# Altium PCB SFPP.PcbDoc (part 2 of 4) (continued)
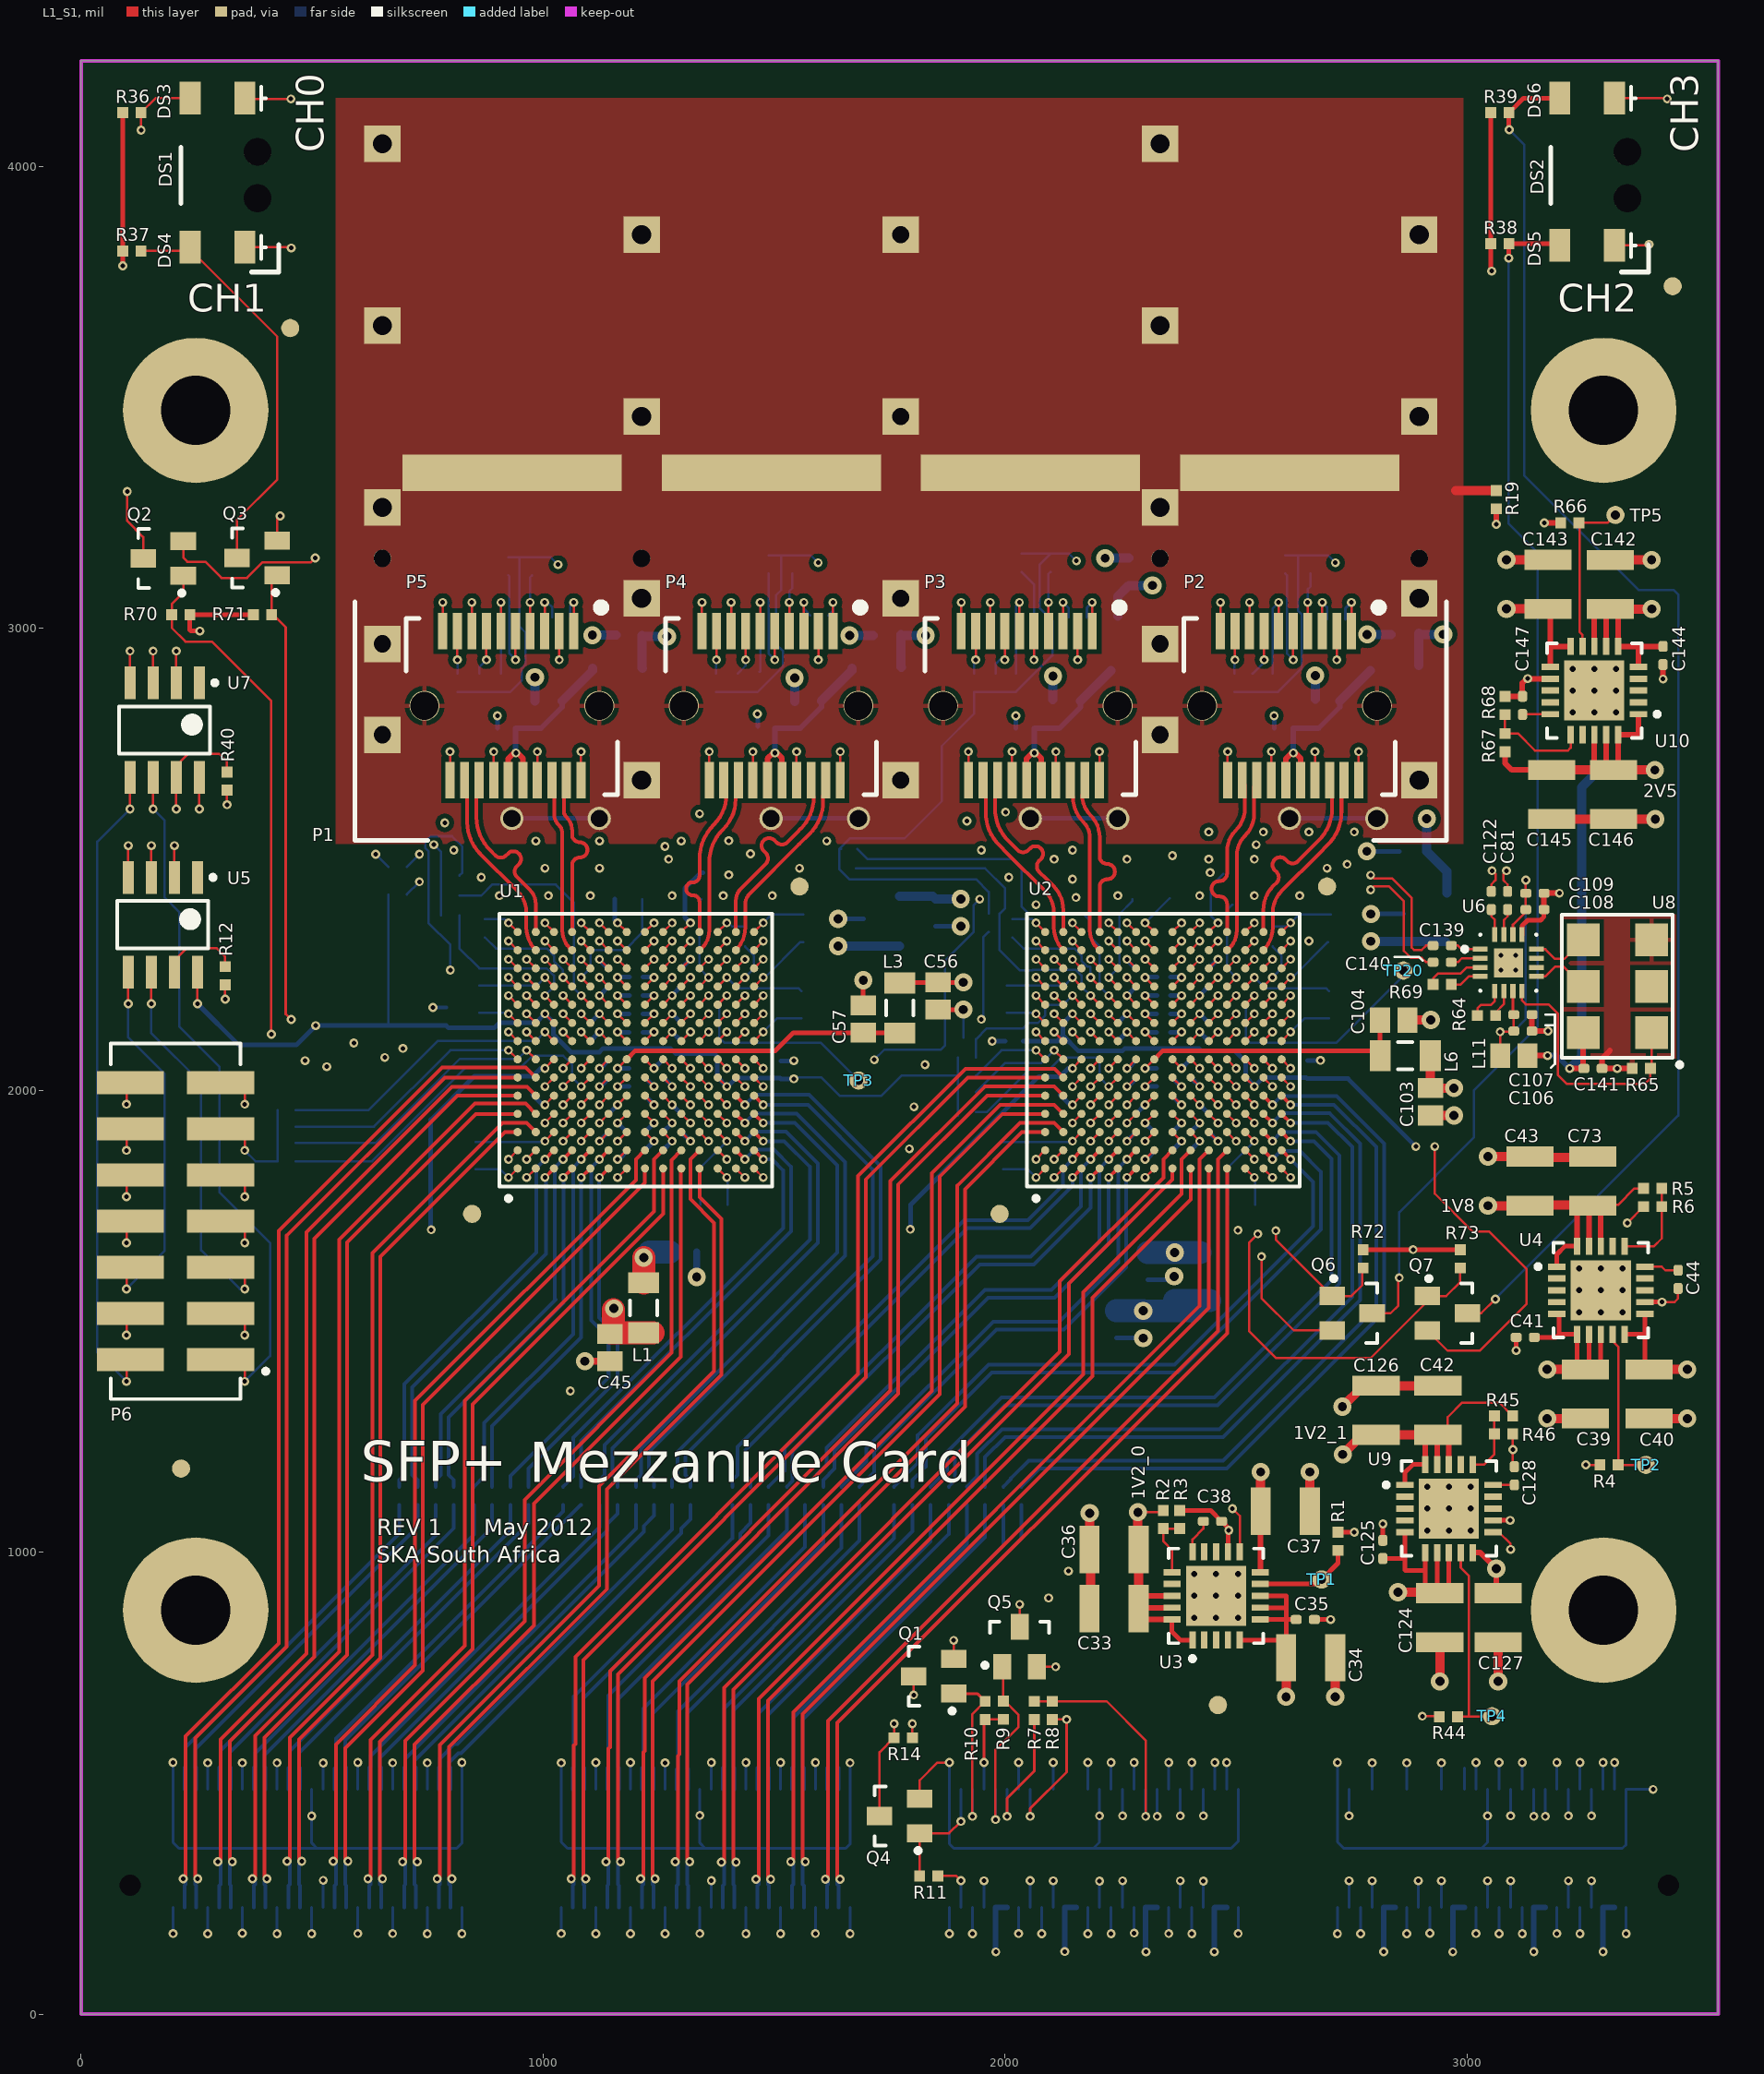
[diagram p0: L1_S1 view]
## Nets (pads, with @x,y where several pads share a name; then routed paths per layer and width w, separated by ;. In a path a pad name is that pad's centre, name@x,y a point inside that pad or via, vN(x,y) a via of type N, cw(c..) or ccw(c..) an arc to the next point about the centre after c; other vN are vias at no path point) (continued)
  L1_S1 w6: v3(1954.29,544.71) R10.1@1954.29,635.39
  L1_S1 w10: C57.1@1693,2183.53 v4(1693,2238.24) ; C56.1@1855,2174.47 v4(1909.72,2174.47) ; R3.1@2377.95,1090.55 2444.88,1090.55 C38.1@2468.5,1066.93 2482.28,1053.15 U3.12@2482.28,1000.98 ; C35.1@2669.29,854.33 v2(2704.72,854.33) ; C125.1@2817.63,1025.68 v2(2817.63,1061.12) ; U9.12@3056.1,1068.9 3056.2,1069 v2(3093,1069) ; v2(3106.11,1436.46) C41.1@3106.11,1465 ; U6.13@3118.78,2336.77 3118.78,2355.78 3131,2368 3159,2368 3166.43,2375.43 C108.1@3166.43,2390.92 ; U4.12@3384.84,1541.34 3384.94,1541.44 v2(3421.74,1541.44)
  L1_S1 w12: v2(3062.99,3225.05) R19.2@3062.99,3256.35 ; R68.1@3082,2852.12 3119.43,2852.12 3119.43,2881.43 3128.59,2890.59 U10.12@3179.84,2890.59 ; C107.1@3140.43,2163.54 C106.1@3140.43,2128.11 v2(3174.89,2128.11) ; C108.1@3166.43,2390.92 C109.1@3166.43,2426.35 v2(3199.65,2426.35) ; C141.1@3292.07,2046.96 3292.07,2069.07 3309,2086 ; C141.1@3292.11,2047 v2(3324.71,2047) R65.1@3357.32,2047 ; v2(3424,2890) C144.1@3424,2921.31
  L1_S1 w15: v4@1090.55,1413.47 C45.1@1145,1413.47
  L1_S1 w19.68: C104.1@2870.53,2152 v4(2921.46,2152) ; v4(3085.15,3148.15) C143.1@3175,3148.15 ; C145.1@3183,2586.85 C146.1@3317,2586.85 v4(3407.15,2586.85) ; C142.1@3310,3147.83 v4(3399.17,3147.83)
  L1_S1 w20: v4(2183.07,1084.65) 2183.07,1000 2185.04,998.03 C33.1@2185.04,874.02 ; C37.1@2659.45,1089 v4(2659.45,1173.65) ; C34.1@2712.6,773.62 C34.1@2714.57,771.65 v4(2714.57,687.01) ; v4(2730,1315) C126.1@2771.24,1356.24 ; C126.1@2776.24,1360.24 C126.1@2803.15,1360.24 C42.1@2927.17,1360.24 ; v4(2940.94,720.47) C124.1@2940.94,805.12 ; v4(3045.28,1856.3) C43.1@3135.83,1856.3 3137.8,1854.33 C73.1@3265.75,1854.33 ; v4(3066.93,720.47) C127.1@3066.93,805.12 ; v4(3173.23,1289.37) C39.1@3263.78,1289.37 ; C40.1@3385.83,1289.37 v4(3476.38,1289.37)
  L8_S4 w5: v2(354.33,1869.68) 377.56,1846.46 R56.2@425.2,1846.46 R16.2@425.2,1885.83 R17.2@425.2,1921.26 R54.2@425.2,1956.69 ; v1(637.8,2510.61) R18.1@665.35,2483.06 ; v1(763.78,2531.5) 779.53,2515.75 R53.2@779.53,2464.57 R55.2@779.53,2421.26 R52.2@779.53,2377.95 ; C72.2@854.33,1828.74 907.48,1828.74 v1(925.2,1811.02) ; C77.2@862.2,2167.32 923.23,2167.32 v1(925.2,2165.36) ; C79.1@874.02,2370.08 917.32,2370.08 v1(925.2,2362.21) ; R35.1@1059.06,3023.62 1059.06,3048.35 v2(1066.41,3055.71) ; v1(1397.64,1811.02) 1399.61,1809.05 C71.2@1399.61,1751.97 ; v1@1401.57,2362.2 1409.45,2354.33 C80.1@1437.01,2354.33 ; v1(1476.38,2125.99) 1505.91,2155.51 C78.2@1559.06,2155.51 ; v1(1476.38,2362.21) 1494.09,2379.92 C76.2@1562.99,2379.92 ; v3@1542.68,2063.68 v3(1543,2064) ; R13.1@1909.45,2114.17 1909.45,2174.2 v4(1909.72,2174.47) v4@1913.39,2170.8 ; v3@1972.46,2104.02 v3@1972.77,2104.33 ; C113.2@1996.06,1828.74 2049.21,1828.74 v1(2066.93,1811.02) ; C118.2@2003.94,2167.32 2064.96,2167.32 v1(2066.93,2165.36) ; C120.1@2015.75,2370.08 2059.06,2370.08 v1(2066.93,2362.21) ; v1(2303.15,2362.21) C116.2@2356.3,2415.36 ; C102.1@2401.33,2027.32 C102.1@2401.82,2027.32 ; v1(2460.63,2362.21) 2444.88,2377.95 2444.88,2440.94 C115.2@2472.44,2468.5 ; v1(2539.37,1811.02) 2541.34,1809.05 C112.2@2541.34,1751.97 ; C121.1@2582.68,2354.33 2614.17,2354.33 v1@2622.05,2362.2 ; v1(2618.11,2125.99) 2647.64,2155.51 C119.2@2700.79,2155.51 ; v1(2618.11,2362.21) 2635.83,2379.92 C117.2@2704.72,2379.92 ; v3@2681.69,2066.37 v3@2682,2066.69
  L8_S4 w6: v3(199,545) 199.29,544.71 J1.AG11@199.29,486.5 199.29,371.71 212,359 J1.AGND@511,359 ; v3(199.29,174.71) J1.AG1@199.29,231.5 ; v3(274.29,174.29) J1.AG2@274.29,231.5 ; J1.AG12@274.29,486.5 v3(274.29,544.29) ; v3(349.29,175.29) J1.AG3@349.29,231.5 ; J1.AG13@349.29,486.5 v3(349.29,544.29) ; v3(424.29,174.29) J1.AG4@424.29,231.5 ; J1.AG14@424.29,486.5 v3(424.29,544.29) ; v3(499.29,174.29) J1.AG5@499.29,231.5 ; J1.AG15@499.29,486.5 v3(499.29,429) 499.29,370.71 J1.AGND@511,359 ; J1.AG6@524.29,231.5 v3(524.29,289.71) ; J1.AG16@524.29,486.5 v3(524.29,543.71) ; v3(599.29,174.71) J1.AG7@599.29,231.5 ; J1.AG17@599.29,486.5 v3(599.29,544.71) ; v3(674.29,174.71) J1.AG8@674.29,231.5 ; J1.AG18@674.29,486.5 v3(674.29,544.29) ; v3(749.29,174.29) J1.AG9@749.29,231.5 ; J1.AG19@749.29,486.5 v3(749.29,544.29) ; v3(824.29,174.29) J1.AG10@824.29,231.5 ; v3(824.29,544.71) J1.AG20@824.29,486.5 824.29,370.29 813,359 J1.AGND@511,359 ; v3(1039.29,174.71) J1.BG1@1039.29,231.5 ; v3(1039.29,544.29) J1.BG11@1039.29,486.5 1039.29,372.71 1053,359 J1.BGND@1351,359 ; v3(1114.29,174.29) J1.BG2@1114.29,231.5 ; J1.BG12@1114.29,486.5 v3(1114.29,544.71) ; v3(1189.29,174.29) J1.BG3@1189.29,231.5 ; J1.BG13@1189.29,486.5 v3(1189.29,544.71) ; v3(1264.29,174.29) J1.BG4@1264.29,231.5 ; J1.BG14@1264.29,486.5 v3(1264.29,544.29) ; v3(1339.29,174.71) J1.BG5@1339.29,231.5 ; J1.BG15@1339.29,486.5 v3(1339.29,430.29) 1339.29,370.71 J1.BGND@1351,359 ; J1.BG6@1364.29,231.5 v3(1364.29,289.29) ; J1.BG16@1364.29,486.5 v3(1364.29,544.71) ; v3(1439.29,174.29) J1.BG7@1439.29,231.5 ; J1.BG17@1439.29,486.5 v3(1439.29,544.71) ; v3(1514.29,174.29) J1.BG8@1514.29,231.5 ; J1.BG18@1514.29,486.5 v3(1514.29,544.71) ; v3(1589.29,174.71) J1.BG9@1589.29,231.5 ; J1.BG19@1589.29,486.5 v3(1589.29,544.71) ; R34.1@1618.11,3027.56 1627.44,3036.89 v2(1627.44,3055.71) ; v3(1664.29,174.29) J1.BG10@1664.29,231.5 ; v3(1664.29,544.29) J1.BG20@1664.29,486.5 1664.29,368.29 1655,359 J1.BGND@1351,359 ; v3(1879.29,174.29) J1.CG1@1879.29,231.5 ; v3(1879.29,544.71) J1.CG11@1879.29,486.5 1879.29,368.71 1889,359 J1.CGND@2191,359 ; J1.CGND@1898,359 J1.CGND@2191,359 ; J1.C1@1904.29,231.5 v3(1904.29,289.29) ; v3(1929.29,174.29) J1.C2@1929.29,231.5 ; J1.CG2@1954.29,231.5 v3(1954.29,288.71) ; J1.CG12@1954.29,486.5 v3(1954.29,544.71) ; v3(2029.29,174.71) J1.CG3@2029.29,231.5 ; J1.CG13@2029.29,486.5 v3(2029.29,544.71) ; J1.C5@2054.29,231.5 v3(2054.29,289.29) ; v3(2079.29,174.29) J1.C6@2079.29,231.5 ; J1.CG4@2104.29,231.5 v3(2104.29,288.71) ; J1.CG14@2104.29,486.5 v3(2104.29,544.71) ; R26.1@2177.17,3023.62 2177.17,3044.41 v2(2188.46,3055.71) ; v3(2179.29,174.29) J1.CG5@2179.29,231.5 ; J1.CG15@2179.29,486.5 v3(2179.29,544.71) ; J1.CG6@2204.29,231.5 v3(2204.29,288.29) ; J1.CG16@2204.29,486.5 v3(2204.29,429.29) 2204.29,372.29 J1.CGND@2191,359 ; v3(2229.29,174.29) J1.C9@2229.29,231.5 ; J1.C25@2229.29,486.5 v3(2229.29,544.71) ; J1.C10@2254.29,231.5 v3(2254.29,288.71) ; v3(2254.29,429.29) J1.C26@2254.29,486.5 ; v3(2279.29,175.71) J1.CG7@2279.29,231.5 ; J1.CG17@2279.29,486.5 v3(2279.29,544.71) ; v3(2354.29,174.71) J1.CG8@2354.29,231.5 ; J1.CG18@2354.29,486.5 v3(2354.29,544.71) ; J1.C13@2379.29,231.5 v3(2379.29,288.71) ; v3(2379.29,429.29) J1.C29@2379.29,486.5 ; v3(2404.29,174.29) J1.C14@2404.29,231.5 ; J1.C30@2404.29,486.5 v3(2404.29,544.71) ; J1.CG9@2429.29,231.5 v3(2429.29,288.29) ; v3(2429.29,429.29) J1.CG19@2429.29,486.5 ; v3(2504.29,174.71) J1.CG10@2504.29,231.5 ; J1.CG20@2504.29,486.5 2504.29,374.29 2489,359 J1.CGND@2191,359 ; v3(2719.29,174.29) J1.DG1@2719.29,231.5 ; v3(2719.29,544.71) J1.DG11@2719.29,486.5 2719.29,372.71 2733,359 J1.DGND@3031,359 ; R27.1@2736.22,3019.69 2736.22,3042.44 v2(2749.48,3055.71) ; J1.D1@2744.29,231.5 v3(2744.29,288.71) ; v3(2769.29,174.29) J1.D2@2769.29,231.5 ; J1.DG2@2794.29,231.5 v3(2794.29,288.71) ; J1.DG12@2794.29,486.5 v3(2794.29,544.29) ; v3(2869.29,174.29) J1.DG3@2869.29,231.5 ; J1.DG13@2869.29,486.5 v3(2869.29,544.29) ; J1.D5@2894.29,231.5 v3(2894.29,288.71) ; v3(2919.29,175.29) J1.D6@2919.29,231.5 ; J1.DG4@2944.29,231.5 v3(2944.29,288.71) ; J1.DG14@2944.29,486.5 v3(2944.29,544.29) ; v3(3019.29,174.71) J1.DG5@3019.29,231.5 ; J1.DG15@3019.29,486.5 v3(3019.29,544.71) ; J1.DG6@3044.29,231.5 v3(3044.29,288.71) ; J1.DG16@3044.29,486.5 v3(3044.29,429.29) 3044.29,372.29 J1.DGND@3031,359 ; v3(3069.29,174.29) J1.D9@3069.29,231.5 ; J1.D25@3069.29,486.5 v3(3069.29,544.71) ; J1.D10@3094.29,231.5 v3(3094.29,288.71) ; v3(3094.29,429.29) J1.D26@3094.29,486.5 ; v3(3119.29,174.29) J1.DG7@3119.29,231.5 ; J1.DG17@3119.29,486.5 v3(3119.29,544.71) ; v3(3194.29,174.71) J1.DG8@3194.29,231.5 ; J1.DG18@3194.29,486.5 v3(3194.29,544.71) ; J1.D13@3219.29,231.5 v3(3219.29,288.71) ; v3(3219.29,429.29) J1.D29@3219.29,486.5 ; v3(3244.29,174.29) J1.D14@3244.29,231.5 ; J1.D30@3244.29,486.5 v3(3244.29,544.71) ; J1.DG9@3269.29,231.5 v3(3269.29,288.71) ; v3(3269.29,429.29) J1.DG19@3269.29,486.5 ; v3(3344.29,174.29) J1.DG10@3344.29,231.5 ; v3(3402.5,486.5) J1.DG20@3344.29,486.5 3344.29,367.29 3336,359 J1.DGND@3031,359
  L8_S4 w8: v1(761.6,2179.29) C70.1@790.38,2179.29
  L8_S4 w10: C82.1@901.57,2783.46 v3@901.57,2813.07 ; C60.1@977.27,1990.32 v1@999.08,1968.51 ; C50.1@1102,2106.32 1102.38,2106.32 v1(1122.05,2125.99) ; v1(1122.05,1889.76) 1142,1909.72 C63.1@1142,1910.32 ; v1(1122.05,2007.87) 1124.56,2007.87 C66.1@1141,2024.32 ; v1(1122.05,2283.47) 1122.05,2281.64 C49.1@1141,2262.68 ; C75.2@1155.51,2413.39 1155.51,2368.11 v1(1161.42,2362.21) ; v1(1161.42,1850.39) 1164.08,1850.39 C64.1@1183,1869.32 ; v1(1161.42,2007.87) 1161.86,2008.32 C59.1@1186,2008.32 ; v1(1161.42,2125.99) 1162.09,2125.32 C67.1@1186,2125.32 ; v1(1161.42,2244.1) 1162.01,2244.68 C114.1@1187,2244.68 ; C65.1@1216,2125.32 1239.49,2125.32 v1(1240.16,2125.99) ; C111.1@1216,2244.68 1239.57,2244.68 v1(1240.16,2244.1) ; C54.1@1220,1869.32 1240.16,1889.47 v1(1240.16,1889.76) ; C55.1@1220,2028.03 v1(1240.16,2007.87) v1@1239.6,2007.32 ; C110.1@1260,1870.32 C110.1@1260.08,1870.32 v1(1279.53,1889.76) ; C53.1@1260.32,2028.03 1279.53,2008.82 v1(1279.53,2007.87) ; v1(1279.53,2125.99) 1279.53,2125.79 C52.1@1299,2106.32 ; C68.1@1299,1909.32 1318.55,1889.76 v1(1318.9,1889.76) ; C51.1@1299,2264.68 1300.12,2264.68 v1(1318.9,2283.47) ; v1(1318.9,2362.21) 1307.09,2374.02 1307.09,2437.01 1340.55,2470.47 C74.2@1346.46,2470.47 ; C136.1@1464.57,2787.4 v3@1464.57,2817 ; C69.1@1515,2063.68 v3@1542.68,2063.68 ; v4(1638.71,2370.99) C48.1@1693.43,2370.99 ; C47.1@1849.43,2354.94 v4(1904.14,2354.94) ; v3@1972.31,2106.3 C93.1@2000,2106.3 ; C85.1@2023.62,2783.46 v3@2023.62,2813.07 ; C91.1@2119,1990.32 2140.81,1968.5 v1(2145.67,1968.5) ; C58.1@2241,1463.47 v4(2298.89,1463.47) ; C96.1@2243.73,2106.32 2244.11,2106.32 v1(2263.78,2125.99) ; v1(2263.78,1889.76) 2283.73,1909.72 C62.1@2283.73,1910.32 ; v1(2263.78,2007.87) 2266.29,2007.87 C90.1@2282.73,2024.32 ; v1(2263.78,2283.47) 2263.78,2281.64 C97.1@2282.73,2262.68 ; v1(2303.15,1850.39) 2305.81,1850.39 C86.1@2324.73,1869.32 ; v1(2303.15,2007.87) 2303.59,2008.32 C105.1@2327.73,2008.32 ; v1(2303.15,2244.1) 2303.74,2244.68 C98.1@2328.73,2244.68 ; v1@2303.82,2125.32 C87.1@2327.73,2125.32 ; C61.1@2308.87,1589.96 2357.96,1589.96 2362.36,1594.36 2366,1590.72 v4@2366,1607 ; C88.1@2357.73,2125.32 v1@2381.22,2125.32 ; C130.1@2357.73,2244.68 2381.3,2244.68 v1(2381.89,2244.1) ; C101.1@2361.73,1869.32 2381.89,1889.47 v1(2381.89,1889.76) ; C100.1@2364.33,2024.32 v1@2380.77,2007.87 ; v1@2381.33,2007.32 v1(2381.89,2007.87) ; C89.1@2401.73,1870.32 2401.81,1870.32 v1(2421.26,1889.76) ; C102.1@2401.82,2027.32 v1(2421.26,2007.87) ; v1(2421.26,2125.99) 2421.26,2125.79 C131.1@2440.73,2106.32 ; C129.1@2440.73,1909.32 2460.28,1889.76 v1(2460.63,1889.76) ; C99.1@2440.73,2264.68 2441.85,2264.68 v1(2460.63,2283.47) ; C133.1@2582.68,2783.46 v3@2582.68,2813.07 ; C92.1@2654.46,2064.4 v3@2682.14,2064.4 ; v4(2782.86,2517.2) C94.1@2853.47,2517.2 ; v4(2791.75,2381.48) C95.1@2862.36,2381.48
  L8_S4 w15: v4@1332.76,1595.55 C46.1@1332.76,1650
  L8_S4 w20: C83.1@982.28,2842.52 v6(982.28,2893.7) ; v6(1106.82,2985) C84.1@1158,2985 ; C137.1@1544.56,2841.1 v6(1544.56,2892.28) ; v6(1663.39,2984.25) C138.1@1714.57,2984.25 ; C123.1@2103.61,2845.04 v6(2103.61,2896.22) ; v6(2216.54,3151.57) C132.1@2267.72,3151.57 ; C134.1@2671.26,2846.46 v6(2671.26,2897.64) ; v10(2783.78,2986.56) C135.1@2834.96,2986.56
  other v1: 2066.93,2401.57 2153.54,2417.32 905.51,2421.26 1011.81,2421.26 1102.36,2421.26 1279.53,2421.26 1389.76,2421.26 1496.06,2421.26 2244.09,2421.26 2421.26,2421.26 2539.37,2421.26 2637.8,2421.26 866.14,2460.63 2007.87,2460.63 1402,2466 1003.94,2480.32 1122.05,2480.32 1555.12,2480.32 2696.85,2480.32 2106.3,2500 2263.78,2500 2440.94,2500 2539.37,2500 1448.82,2511.81 807.09,2519.68 1948.82,2519.68 2145.67,2519.68 984.25,2539.37 1122.05,2539.37 1299.21,2539.37 1614.17,2539.37 1402,2540 2440.94,2559.06 2559.06,2559.06 2657.48,2559.06 2755.91,2559.06 787.4,2578.74 1917.32,2582.68 1338.58,2598.43 2001,2602
  other v2: 3099,1222 3131,2891
  other v3: 2682.46,2064.72 1972,2105.98 901.06,2810.58 2023.11,2810.58 2582.16,2810.58 1464.05,2814.52
  other v4: 1090.55,1413.39 1332.67,1595.55 2366,1597
  other v5: 2409.45,858.27 2456.69,858.27 2503.94,858.27 2409.45,905.51 2456.69,905.51 2503.94,905.51 2409.45,952.76 2456.69,952.76 2503.94,952.76 2913.39,1047.24 2960.63,1047.24 3007.87,1047.24 2913.39,1094.49 2960.63,1094.49 3007.87,1094.49 2913.39,1141.73 2960.63,1141.73 3007.87,1141.73 3242.13,1519.69 3289.37,1519.69 3336.61,1519.69 3242.13,1566.93 3289.37,1566.93 3336.61,1566.93 3242.13,1614.17 3289.37,1614.17 3336.61,1614.17 3228.07,2817.76 3275.32,2817.76 3322.56,2817.76 3228.07,2865 3275.32,2865 3322.56,2865 3228.07,2912.24 3275.32,2912.24 3322.56,2912.24
  other v7: 3073.5,2260 3105,2260 3073.5,2291.5 3105,2291.5
  other v9: 2484.25,1047.24
LED_RX_0: DS3.1 Q2.2 U1.D5 | length 3205.6
  L1_S1 w5: Q2.2@221.31,3188.4 221.31,3152.69 230,3144 269,3144 304,3109 359.44,3109 393.23,3142.78 497.78,3142.78 v2(507,3152) ; DS3.1@354.33,4147.24 355.91,4145.67 v2(454.33,4145.67) ; v1(1043.31,1968.5) U1.D5@1062.99,1988.19
  L3_S2 w3.94: 781.03,1948.82 1023.62,1948.82 v1(1043.31,1968.5)
  L3_S2 w5: v2(532,2051) 550,2033 696.85,2033 781.03,1948.82
  L6_S3 w5: v2(454.33,4145.67) 532,4068 532,3167 ; v2(507,3152) 517,3152 532,3167 ; v2(532,2051) 532,3167
LED_RX_1: DS4.1 Q3.2 U1.E5 | length 2720.6
  L1_S1 w5: DS4.1@354.33,3824.41 v2@455,3824.41 ; Q3.2@424.31,3189.4 424.31,3236.31 v2(431,3243) ; v1(1082.68,1968.5) U1.E5@1102.36,1988.19
  L3_S2 w5: v2@482,2065 543,2004 697,2004 789,1912 1052.48,1912 1066.48,1926 1066.48,1945.33 1082.68,1961.53 v1(1082.68,1968.5)
  L6_S3 w5: v2(431,3243) 449,3261 485,3261 ; v2(455,3823) 485,3793 485,3261 ; v2(485,2064) 485,3261
LED_RX_2: DS5.1 Q6.2 U2.D5 | length 4531.3
  L1_S1 w5: v1(2185.04,1968.5) U2.D5@2204.72,1988.19 ; v2(2555,1640) 2555,1550 2625.06,1479.94 Q6.2@2707.82,1479.94 ; DS5.1@3318.9,3828.35 3391.34,3828.35 v2(3393.7,3830.71)
  L3_S2 w5: v1(2145.67,2456.69) 2432.57,2456.69 2436.46,2452.8 2451.54,2452.8 2480.54,2481.8 2546.91,2481.8 2563.62,2498.51 2704.39,2498.51 2713.88,2489.02 3013.02,2489.02 3056,2532 3441,2532 3467,2558 3467,3757.41 v2(3393.7,3830.71)
  L6_S3 w5: v1(2145.67,2456.69) 2125.98,2437.01 2125.98,2000 2137.98,1988 2165.54,1988 v1(2185.04,1968.5) ; v2(2555,1640) 2582,1640 2740,1798 v1(2740,2489)
LED_RX_3: DS6.1 Q7.2 U2.E5 | length 4502.5
  L1_S1 w5: v1(2224.41,1968.5) U2.E5@2244.09,1988.19 ; Q7.2@2913.82,1479.94 2957.76,1436 3027,1436 3129,1538 3129,1613 3048,1694 3012,1694 2930,1776 v2(2930,1878) ; DS6.1@3318.9,4147.24 v2@3431.5,4147.24
  L3_S2 w5: v1(2224.41,1968.5) 2247.58,1991.67 2247.58,2014.58 2264.04,2031.04 2270.49,2031.04 2279.98,2040.53 2279.98,2046.98 2302,2069 2639,2069 2678,2030 2800,2030 2928,1902 ; v2(2930,1878) 2928,1880 2928,1902 ; v2(3433.07,4145.67) 3478,4100.74 3478,1946 3434,1902 2928,1902
LED_TX_0: Q2.1 R70.1 U1.E4 | length 2032.2
  L1_S1 w5: Q2.1@221.31,3113.6 221.31,3077.31 196.32,3052.31 R70.1@196.32,3029 196.32,3000.69 226,2971 283,2971 412,2842 v2(412,2121) ; v1(1082.68,1929.13) U1.E4@1102.36,1948.82
  L3_S2 w5: v2(412,2121) 412,2011 555,1868 1044.45,1868 1059.51,1883.05 1059.51,1905.96 v1(1082.68,1929.13)
LED_TX_1: Q3.1 R71.1 U1.K4 | length 2008.1
  L1_S1 w5: R71.1@412.69,3029 412.69,3102.98 Q3.1@424.31,3114.6 ; R71.1@416,3029 443,3002 443,2165 v2(455,2153) ; U1.K4@1299.21,1948.82 v1(1318.9,1929.13)
  L3_S2 w5: v2(455,2153) 465,2163 707,2163 805,2065 1170,2065 1191,2044 1191,1988 1233.67,1945.33 1286.24,1945.33 1302.44,1929.13 v1(1318.9,1929.13)
LED_TX_2: Q6.1 R72.1 U2.E4 | length 1040.1
  L1_S1 w5: v1(2224.41,1929.13) U2.E4@2244.09,1948.82 ; v1(2586,1696) 2586,1676.57 Q6.1@2707.82,1554.74 2749.74,1554.74 2773,1578 2773,1618.32 R72.1@2775,1620.32
  L3_S2 w5: v1(2224.41,1929.13) 2235.28,1940 2248,1940 2254,1946 2310,1946 2339,1975 2339,1992.2 2372.8,2026 2519,2026 2523.17,2021.83 2523.17,1796.48 2586,1733.65 v1(2586,1696)
LED_TX_3: Q7.1 R73.1 U2.K4 | length 1110.7
  L1_S1 w5: U2.K4@2440.94,1948.82 v1(2460.63,1929.13) ; v1(2547,1689) 2528,1670 2528,1479 2587,1420 2791,1420 2913.82,1542.82 Q7.1@2913.82,1554.74 2954.74,1554.74 2985,1585 R73.1@2985,1615.32
  L3_S2 w5: v1(2460.63,1929.13) 2480.31,1909.45 2480.31,1800.69 2547,1734 v1(2547,1689) v1@2547,1687